# Altium PCB TCM_IPBUS_MEZZANINE.PCBDOC (part 2 of 2)
Units mm, origin at the board's own origin, x right, y up, seen from the top; angles counter-clockwise.
Board outline 116.2 x 111.5 mm, 4 copper layers (Top Layer, Layer 1, Layer 2, Bottom Layer), stack 1.543 mm thick; 118 components, 113 nets, 484 pads, 176 vias.
Unrouted connection lines stored in the file: 4.
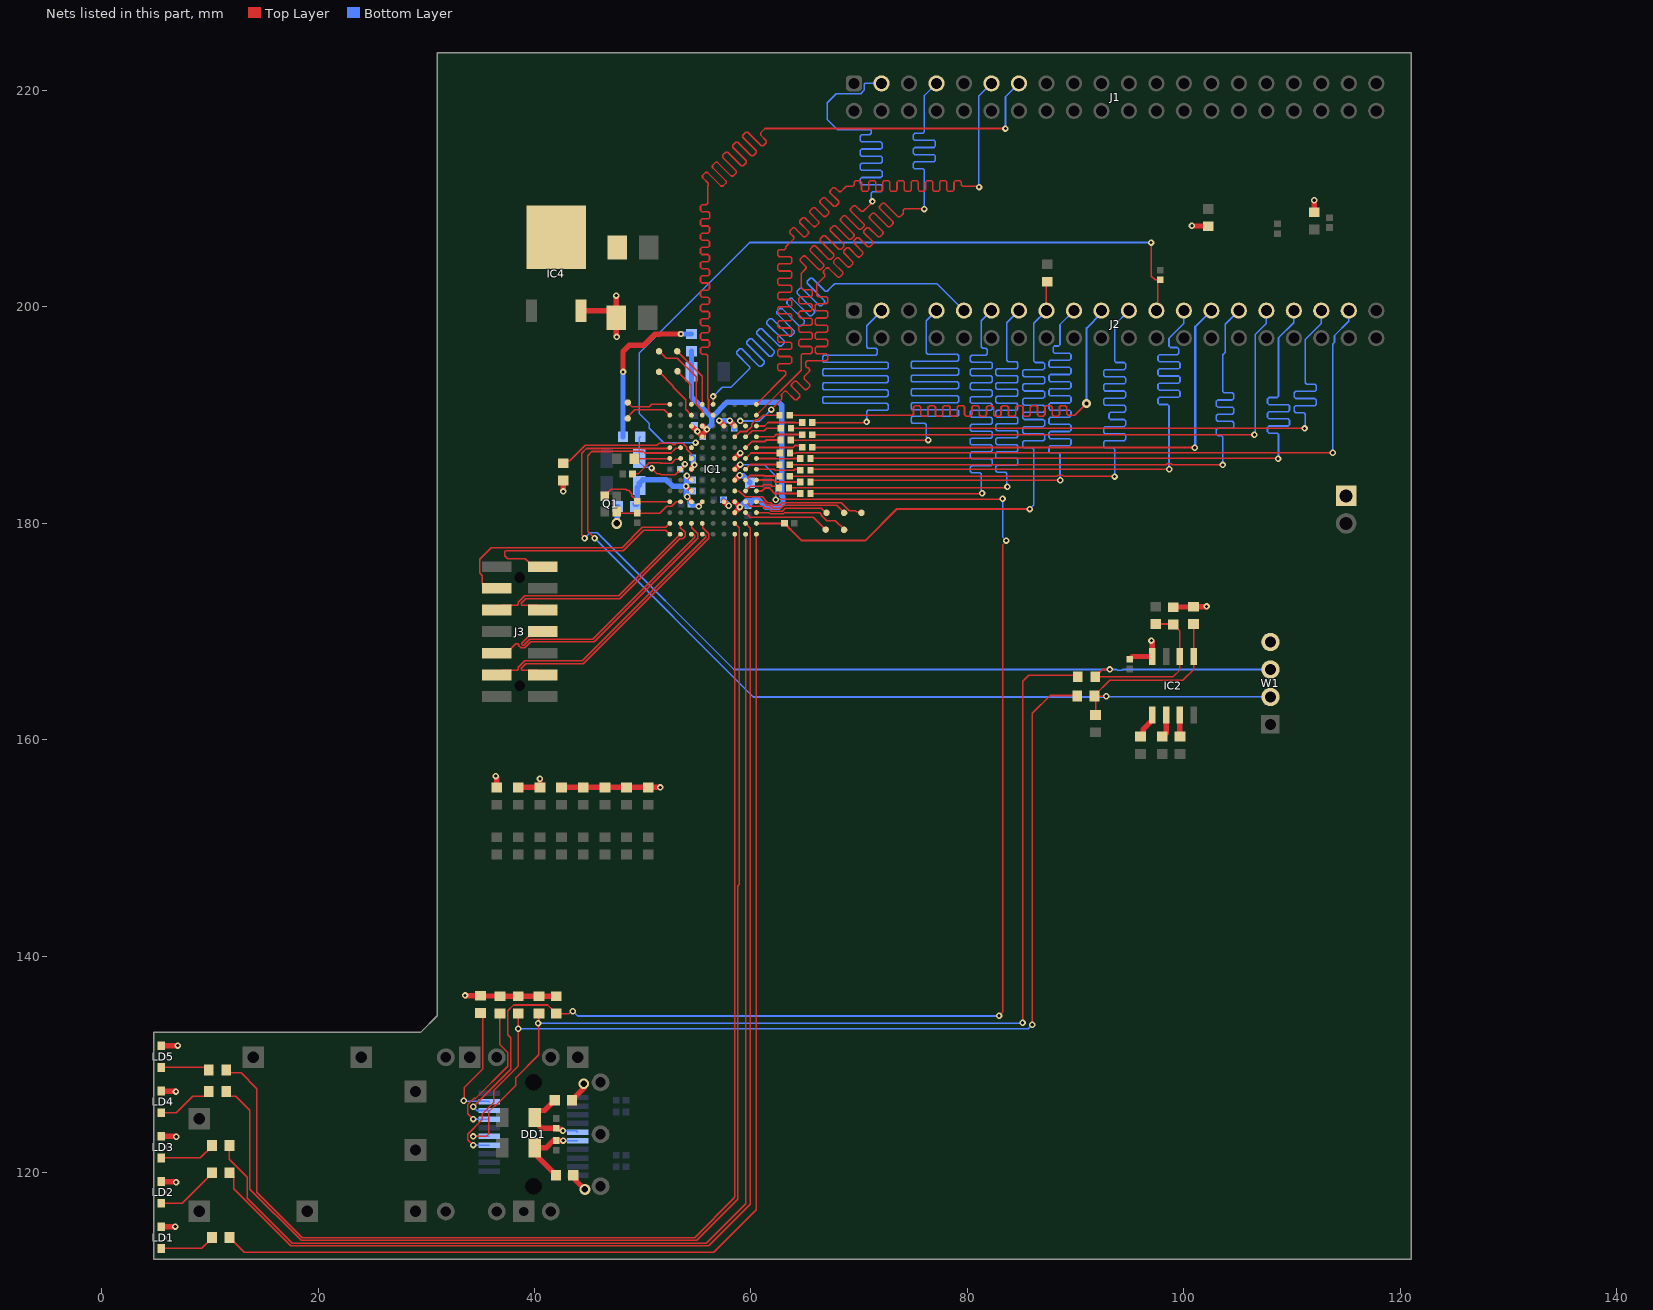
[diagram p4: the nets of this part, all layers, seen from the top]

## Via types
v1: diameter 0.6, hole 0.3, Top Layer to Bottom Layer, tented both sides, 169 vias
v2: diameter 0.6, hole 0.3, Top Layer to Bottom Layer, 3 vias
v3: diameter 1, hole 0.6, Top Layer to Bottom Layer, tented both sides, 3 vias
v4: diameter 0.8, hole 0.4, Top Layer to Bottom Layer, tented both sides, 1 vias

## Nets (pads, with @x,y where several pads share a name; then routed paths per layer and width w, separated by ;. In a path a pad name is that pad's centre, name@x,y a point inside that pad or via, vN(x,y) a via of type N, cw(c..) or ccw(c..) an arc to the next point about the centre after c; other vN are vias at no path point) (continued)
LA2_12: IC1.E2 J1.13 | length 89
  Top Layer w0.15: IC1.E2@56.5,190 56.07,190.43 56.07,191.449 55.995,191.524 55.995,195.428 55.995,195.503 55.863,195.634 55.469,195.634 55.337,195.766 55.337,196.161 55.469,196.292 56.035,196.292 56.167,196.424 56.167,196.819 56.035,196.95 55.469,196.95 55.337,197.082 55.337,197.477 55.469,197.608 56.035,197.608 56.167,197.74 56.167,198.135 56.035,198.266 55.469,198.266 55.337,198.398 55.337,198.793 55.469,198.924 56.035,198.924 56.167,199.056 56.167,199.451 56.035,199.582 55.469,199.582 55.337,199.714 55.337,200.109 55.469,200.24 56.035,200.24 56.167,200.372 56.167,200.767 56.035,200.898 55.469,200.898 55.337,201.03 55.337,201.425 55.469,201.556 56.035,201.556 56.167,201.688 56.167,202.083 56.035,202.214 55.469,202.214 55.337,202.346 55.337,202.741 55.469,202.872 56.035,202.872 56.167,203.004 56.167,203.399 56.035,203.53 55.469,203.53 55.337,203.662 55.337,204.057 55.469,204.188 56.035,204.188 56.167,204.32 56.167,204.715 56.035,204.846 55.469,204.846 55.337,204.978 55.337,205.373 55.469,205.504 56.035,205.504 56.167,205.636 56.167,206.031 56.035,206.162 55.469,206.162 55.337,206.294 55.337,206.689 55.469,206.82 56.035,206.82 56.167,206.952 56.167,207.347 56.035,207.478 55.469,207.478 55.337,207.61 55.337,208.005 55.469,208.136 56.056,208.136 56.188,208.268 56.188,208.663 56.056,208.794 55.469,208.794 55.337,208.926 55.337,209.321 55.469,209.452 55.863,209.452 55.995,209.584 55.995,210.439 55.995,211.188 55.995,211.189 56.047,211.241 56.047,211.427 55.515,211.96 55.515,212.146 55.794,212.425 55.98,212.425 57.231,211.174 57.417,211.174 57.696,211.453 57.696,211.64 56.446,212.89 56.446,213.076 56.725,213.356 56.911,213.356 58.162,212.105 58.348,212.105 58.627,212.384 58.627,212.57 57.376,213.821 57.376,214.007 57.655,214.286 57.841,214.286 59.092,213.035 59.278,213.035 59.557,213.315 59.557,213.501 58.307,214.751 58.307,214.938 58.586,215.217 58.772,215.217 60.023,213.966 60.209,213.966 60.488,214.245 60.488,214.431 59.237,215.682 59.237,215.868 59.516,216.147 59.703,216.147 60.953,214.897 61.139,214.897 61.419,215.176 61.419,215.362 60.886,215.894 60.886,216.08 61.29,216.484 v1(83.515,216.484)
  Bottom Layer w0.15: v1(83.515,216.484) 83.515,219.415 J1.13@84.76,220.66
LA2_13: IC1.A1 J1.11 | length 88.8
  Top Layer w0.15: IC1.A1@60.5,191 63.225,193.725 63.225,193.904 63.225,193.979 63.093,194.11 62.621,194.11 62.489,194.242 62.489,194.637 62.621,194.768 63.644,194.768 63.775,194.9 63.775,195.295 63.644,195.426 62.621,195.426 62.489,195.558 62.489,195.953 62.621,196.084 63.644,196.084 63.775,196.216 63.775,196.611 63.644,196.742 62.621,196.742 62.489,196.874 62.489,197.269 62.621,197.4 63.644,197.4 63.775,197.532 63.775,197.927 63.644,198.058 62.621,198.058 62.489,198.19 62.489,198.585 62.621,198.716 63.644,198.716 63.775,198.848 63.775,199.243 63.644,199.374 62.621,199.374 62.489,199.506 62.489,199.901 62.621,200.032 63.644,200.032 63.775,200.164 63.775,200.559 63.644,200.69 62.621,200.69 62.489,200.822 62.489,201.217 62.621,201.348 63.644,201.348 63.775,201.48 63.775,201.875 63.644,202.006 62.621,202.006 62.489,202.138 62.489,202.533 62.621,202.664 63.644,202.664 63.775,202.796 63.775,203.191 63.644,203.322 62.621,203.322 62.489,203.454 62.489,203.849 62.621,203.98 63.644,203.98 63.775,204.112 63.775,204.507 63.644,204.638 62.621,204.638 62.489,204.77 62.489,205.165 62.621,205.296 63.093,205.296 63.225,205.428 63.225,205.575 63.796,206.146 63.889,206.239 63.943,206.293 63.943,206.479 63.583,206.838 63.583,207.025 63.862,207.304 64.048,207.304 64.852,206.5 65.038,206.5 65.317,206.779 65.317,206.965 64.513,207.769 64.513,207.955 64.792,208.234 64.979,208.234 65.782,207.431 65.968,207.431 66.247,207.71 66.247,207.896 65.444,208.7 65.444,208.886 65.723,209.165 65.909,209.165 66.713,208.361 66.899,208.361 67.178,208.64 67.178,208.827 66.374,209.63 66.374,209.816 66.654,210.095 66.84,210.095 67.643,209.292 67.829,209.292 68.109,209.571 68.109,209.757 67.305,210.561 67.305,210.747 67.584,211.026 67.77,211.026 68.13,210.666 68.316,210.666 68.703,211.053 68.8,211.15 69.342,211.15 69.417,211.15 69.549,211.282 69.549,211.537 69.68,211.669 70.075,211.669 70.207,211.537 70.207,210.814 70.338,210.683 70.733,210.683 70.865,210.814 70.865,211.537 70.996,211.669 71.391,211.669 71.523,211.537 71.523,210.814 71.654,210.683 72.049,210.683 72.181,210.814 72.181,211.537 72.312,211.669 72.707,211.669 72.839,211.537 72.839,210.814 72.97,210.683 73.365,210.683 73.497,210.814 73.497,211.537 73.628,211.669 74.023,211.669 74.155,211.537 74.155,210.814 74.286,210.683 74.681,210.683 74.813,210.814 74.813,211.537 74.944,211.669 75.339,211.669 75.471,211.537 75.471,210.814 75.602,210.683 75.997,210.683 76.129,210.814 76.129,211.537 76.26,211.669 76.655,211.669 76.787,211.537 76.787,210.814 76.918,210.683 77.313,210.683 77.445,210.814 77.445,211.537 77.576,211.669 77.971,211.669 78.103,211.537 78.103,210.814 78.234,210.683 78.629,210.683 78.761,210.814 78.761,211.537 78.892,211.669 79.287,211.669 79.419,211.537 79.419,211.282 79.55,211.15 79.807,211.15 v1@81.075,211.15
  Bottom Layer w0.15: v1(81.075,211.075) 81.05,211.1 81.05,219.49 J1.11@82.22,220.66
LA2_15: IC1.B3 J1.7 | length 85.9
  Top Layer w0.15: v1(59.005,189.464) 59.02,189.464 59.484,189 IC1.B3@59.5,189 ; v1(61.875,190.52) 62.804,191.45 62.857,191.503 62.857,191.689 62.816,191.73 62.816,191.916 63.095,192.195 63.281,192.195 64.041,191.436 64.227,191.436 64.506,191.715 64.506,191.901 63.747,192.661 63.747,192.847 64.026,193.126 64.212,193.126 64.972,192.366 65.158,192.366 65.437,192.645 65.437,192.832 64.905,193.364 64.905,193.55 65.293,193.939 65.334,193.98 65.409,194.055 65.409,194.241 65.278,194.373 65.195,194.373 65.064,194.504 65.064,194.899 65.195,195.031 66.964,195.031 67.096,195.162 67.096,195.557 66.964,195.689 66.078,195.689 65.946,195.82 65.946,196.215 66.078,196.347 66.964,196.347 67.096,196.478 67.096,196.873 66.964,197.005 66.078,197.005 65.946,197.136 65.946,197.531 66.078,197.663 66.964,197.663 67.096,197.794 67.096,198.189 66.964,198.321 66.078,198.321 65.946,198.452 65.946,198.847 66.078,198.979 66.964,198.979 67.096,199.11 67.096,199.505 66.964,199.637 66.078,199.637 65.946,199.768 65.946,200.163 66.078,200.295 66.964,200.295 67.096,200.426 67.096,200.821 66.964,200.953 66.211,200.953 66.08,201.084 66.08,201.549 66.08,202.08 66.772,202.772 66.825,202.825 66.825,203.012 66.703,203.134 66.703,203.32 66.982,203.599 67.168,203.599 68.009,202.758 68.195,202.758 68.474,203.038 68.474,203.224 67.634,204.065 67.634,204.251 67.913,204.53 68.099,204.53 68.94,203.689 69.126,203.689 69.405,203.968 69.405,204.154 68.564,204.995 68.564,205.181 68.843,205.46 69.029,205.46 69.87,204.62 70.056,204.62 70.336,204.899 70.336,205.085 69.495,205.926 69.495,206.112 69.774,206.391 69.96,206.391 70.801,205.55 70.987,205.55 71.266,205.829 71.266,206.015 70.425,206.856 70.425,207.042 70.704,207.322 70.89,207.322 71.731,206.481 71.917,206.481 72.197,206.76 72.197,206.946 70.946,208.197 70.946,208.383 71.225,208.662 71.411,208.662 72.662,207.411 72.848,207.411 73.127,207.69 73.127,207.876 71.876,209.127 71.876,209.313 72.156,209.592 72.342,209.592 73.592,208.342 73.779,208.342 74.058,208.621 74.058,208.943 74.189,209.075 74.567,209.075 v1@76,209.075
  Bottom Layer w0.15: v1(59.005,189.464) 60.818,189.464 v1(61.875,190.52) ; v1(76,209.05) 76.025,209.075 76.025,212.552 76.025,212.627 75.893,212.759 75.141,212.759 75.009,212.891 75.009,213.285 75.141,213.417 76.909,213.417 77.041,213.549 77.041,213.943 76.909,214.075 75.141,214.075 75.009,214.207 75.009,214.601 75.141,214.733 76.909,214.733 77.041,214.865 77.041,215.259 76.909,215.391 75.141,215.391 75.009,215.523 75.009,215.917 75.141,216.049 75.893,216.049 76.025,216.181 76.025,216.84 76.025,219.545 J1.7@77.14,220.66
LA3_0: J2.37 R13.1 | length 63.9
  Top Layer w0.13: R13.1@63.6,186.5 64.184,186.5 64.202,186.518 100.782,186.518 100.795,186.505 101.205,186.505 101.218,186.518 v1@113.75,186.518
  Bottom Layer w0.15: v1(113.75,186.525) 113.75,196.55 113.925,196.725 113.925,197.352 115.24,198.667 J2.37@115.24,199.66
LA3_1: J2.35 R18.1 | length 66.3
  Top Layer w0.13: R18.1@63.7,188.8 64.354,188.8 64.359,188.795 66.041,188.795 66.046,188.8 v1@111.15,188.8
  Bottom Layer w0.15: v1(111.15,188.775) 111.225,188.85 111.225,190.017 111.225,190.092 111.093,190.224 110.341,190.224 110.209,190.356 110.209,190.75 110.341,190.882 112.109,190.882 112.241,191.014 112.241,191.408 112.109,191.54 110.341,191.54 110.209,191.672 110.209,192.066 110.341,192.198 112.109,192.198 112.241,192.33 112.241,192.724 112.109,192.856 111.357,192.856 111.225,192.988 111.225,193.7 111.225,196.996 112.7,198.47 J2.35@112.7,199.66
LA3_2: J2.33 R12.1 | length 66.7
  Top Layer w0.13: R12.1@65.5,186 v1@108.7,186
  Bottom Layer w0.15: v1(108.7,185.975) 108.75,186.025 108.75,188.138 108.75,188.213 108.618,188.344 107.866,188.344 107.734,188.476 107.734,188.871 107.866,189.002 109.634,189.002 109.766,189.134 109.766,189.529 109.634,189.66 107.866,189.66 107.734,189.792 107.734,190.187 107.866,190.318 109.634,190.318 109.766,190.45 109.766,190.845 109.634,190.976 107.866,190.976 107.734,191.108 107.734,191.503 107.866,191.634 108.618,191.634 108.75,191.766 108.75,192.1 108.75,197.142 110.16,198.552 J2.33@110.16,199.66
LA3_3: J2.31 R15.1 | length 52.8
  Top Layer w0.13: R15.1@65.67,188.2 v1(106.525,188.2)
  Bottom Layer w0.15: v1(106.525,188.2) 106.6,188.275 106.6,188.544 106.6,194.793 106.6,197.451 107.62,198.47 J2.31@107.62,199.66
LA3_4: J2.29 R11.1 | length 63.6
  Top Layer w0.13: R11.1@63.57,185.425 98.375,185.425 98.445,185.495 98.855,185.495 98.925,185.425 v1@103.6,185.425
  Bottom Layer w0.15: v1(103.6,185.4) 103.6,187.909 103.6,187.984 103.468,188.116 103.123,188.116 102.992,188.247 102.992,188.642 103.123,188.774 104.481,188.774 104.613,188.905 104.613,189.3 104.481,189.432 103.123,189.432 102.992,189.563 102.992,189.958 103.123,190.09 104.481,190.09 104.613,190.221 104.613,190.616 104.481,190.748 103.123,190.748 102.992,190.879 102.992,191.274 103.123,191.406 104.481,191.406 104.613,191.537 104.613,191.932 104.481,192.064 103.732,192.064 103.6,192.195 103.6,192.38 103.6,195.575 103.825,195.8 103.825,198.405 J2.29@105.08,199.66
LA3_5: J2.27 R14.1 | length 48.6
  Top Layer w0.2: R14.1@65.67,187.023 v1@101,187.023
  Bottom Layer w0.2: v1(101,187) 101.05,187.05 101.05,189.027 101.05,196.698 101.05,198.17 J2.27@102.54,199.66
LA3_6: J2.25 R10.1 | length 63.1
  Top Layer w0.13: R10.1@65.5,184.902 65.598,185 v1(98.65,185)
  Bottom Layer w0.15: v1(98.65,185) 98.625,185.025 98.625,190.779 98.625,190.854 98.493,190.986 97.741,190.986 97.609,191.118 97.609,191.512 97.741,191.644 99.509,191.644 99.641,191.776 99.641,192.17 99.509,192.302 97.741,192.302 97.609,192.434 97.609,192.828 97.741,192.96 99.509,192.96 99.641,193.092 99.641,193.486 99.509,193.618 97.741,193.618 97.609,193.75 97.609,194.144 97.741,194.276 99.509,194.276 99.641,194.408 99.641,194.802 99.509,194.934 97.741,194.934 97.609,195.066 97.609,195.46 97.741,195.592 99.388,195.592 99.519,195.724 99.519,196.118 99.388,196.25 98.757,196.25 98.625,196.382 98.625,196.926 98.625,197.096 100,198.47 J2.25@100,199.66
LA3_7: C10.2 IC1.G5 J2.23 | length 71.4
  Top Layer w0.15: IC1.G5@54.5,187 54.5,187.044 54.875,187.419 v1(54.875,187.463) ; v1(96.975,205.95) 97,205.925 97,202.85 97.35,202.5 C10.2@97.825,202.5 97.59,202.265 97.59,199.79 J2.23@97.46,199.66
  Bottom Layer w0.15: v1(54.875,187.463) 54.862,187.45 51.949,187.45 50.605,188.794 50.605,189.224 49.675,190.154 49.675,195.75 59.875,205.95 v1(96.975,205.95)
LA3_8: J2.21 R6.1 | length 67.4
  Top Layer w0.13: R6.1@63.57,184.35 88.25,184.35 88.37,184.47 88.78,184.47 88.9,184.35 v1@93.6,184.35
  Bottom Layer w0.15: v1(93.6,184.325) 93.6,186.766 93.6,186.841 93.468,186.973 92.716,186.973 92.584,187.104 92.584,187.499 92.716,187.631 94.484,187.631 94.616,187.762 94.616,188.157 94.484,188.289 92.716,188.289 92.584,188.42 92.584,188.815 92.716,188.947 94.484,188.947 94.616,189.078 94.616,189.473 94.484,189.605 93.212,189.605 93.08,189.736 93.08,190.131 93.212,190.263 94.484,190.263 94.616,190.394 94.616,190.789 94.484,190.921 92.716,190.921 92.584,191.052 92.584,191.447 92.716,191.579 94.484,191.579 94.616,191.71 94.616,192.105 94.484,192.237 92.716,192.237 92.584,192.368 92.584,192.763 92.716,192.895 94.484,192.895 94.616,193.026 94.616,193.421 94.484,193.553 92.716,193.553 92.584,193.684 92.584,194.079 92.716,194.211 94.484,194.211 94.616,194.342 94.616,194.737 94.484,194.869 93.732,194.869 93.6,195 93.6,195.504 93.6,198.34 J2.21@94.92,199.66
LA3_9: J2.19 R19.1 | length 54.9
  Top Layer w0.166: R19.1@63.57,190 74.803,190 74.886,190 75.021,190.135 75.021,190.741 75.156,190.876 75.56,190.876 75.695,190.741 75.695,190.03 75.83,189.895 76.235,189.895 76.369,190.03 76.369,190.741 76.504,190.876 76.909,190.876 77.044,190.741 77.044,190.03 77.178,189.895 77.583,189.895 77.718,190.03 77.718,190.741 77.853,190.876 78.257,190.876 78.392,190.741 78.392,190.03 78.527,189.895 78.931,189.895 79.066,190.03 79.066,190.741 79.201,190.876 79.606,190.876 79.74,190.741 79.74,190.03 79.875,189.895 80.28,189.895 80.415,190.03 80.415,190.741 80.549,190.876 80.954,190.876 81.089,190.741 81.089,190.03 81.224,189.895 81.628,189.895 81.763,190.03 81.763,190.741 81.898,190.876 82.302,190.876 82.437,190.741 82.437,190.03 82.572,189.895 82.977,189.895 83.111,190.03 83.111,190.741 83.246,190.876 83.651,190.876 83.786,190.741 83.786,190.03 83.921,189.895 84.325,189.895 84.46,190.03 84.46,190.741 84.595,190.876 84.999,190.876 85.134,190.741 85.134,190.03 85.269,189.895 85.673,189.895 85.808,190.03 85.808,190.741 85.943,190.876 86.348,190.876 86.483,190.741 86.483,190.03 86.617,189.895 87.022,189.895 87.157,190.03 87.157,190.741 87.292,190.876 87.696,190.876 87.831,190.741 87.831,190.03 87.966,189.895 88.37,189.895 88.505,190.03 88.505,190.741 88.64,190.876 89.045,190.876 89.179,190.741 89.179,190.135 89.314,190 89.586,190 89.924,190 v4(91.008,191.084)
  Bottom Layer w0.166: v4(91.008,191.084) 91.017,191.093 91.017,191.694 91.017,197.866 91.017,198.047 92.38,199.41 J2.19@92.38,199.66
LA3_10: J2.17 R5.1 | length 66.6
  Top Layer w0.13: R5.1@65.5,183.827 65.673,184 v1@88.575,184
  Bottom Layer w0.15: v1(88.575,183.975) 88.55,184 88.55,186.309 88.55,186.384 88.418,186.516 87.666,186.516 87.534,186.647 87.534,187.042 87.666,187.174 89.434,187.174 89.566,187.305 89.566,187.7 89.434,187.832 87.666,187.832 87.534,187.963 87.534,188.358 87.666,188.49 89.434,188.49 89.566,188.621 89.566,189.016 89.434,189.148 87.666,189.148 87.534,189.279 87.534,189.674 87.666,189.806 89.434,189.806 89.566,189.937 89.566,190.332 89.434,190.464 87.666,190.464 87.534,190.595 87.534,190.99 87.666,191.122 89.434,191.122 89.566,191.253 89.566,191.648 89.434,191.78 87.666,191.78 87.534,191.911 87.534,192.306 87.666,192.438 89.434,192.438 89.566,192.569 89.566,192.964 89.434,193.096 87.666,193.096 87.534,193.227 87.534,193.622 87.666,193.754 89.434,193.754 89.566,193.885 89.566,194.28 89.434,194.412 87.666,194.412 87.534,194.543 87.534,194.938 87.666,195.07 89.434,195.07 89.566,195.201 89.566,195.596 89.434,195.728 88.048,195.728 87.916,195.859 87.916,196.254 88.048,196.386 88.418,196.386 88.55,196.517 88.55,196.977 88.55,198.37 J2.17@89.84,199.66
LA3_11: C9.2 IC1.A12 J2.15 R53.2 | length 71.2
  Top Layer w0.15: J2.15@87.3,199.66 87.3,202.26 R53.2@87.376,202.337
  Top Layer w0.2: IC1.A12@60.5,180 C9.2@63.1,180 63.46,179.64 63.46,179.595 63.595,179.46 63.64,179.46 64.69,178.41 70.561,178.41 73.477,181.325 v1(85.75,181.325)
  Bottom Layer w0.15: v1(85.75,181.325) 86.125,181.7 86.125,186.766 86.125,186.841 85.993,186.973 85.241,186.973 85.109,187.104 85.109,187.499 85.241,187.631 87.009,187.631 87.141,187.762 87.141,188.157 87.009,188.289 85.241,188.289 85.109,188.42 85.109,188.815 85.241,188.947 87.009,188.947 87.141,189.078 87.141,189.473 87.009,189.605 85.241,189.605 85.109,189.736 85.109,190.131 85.241,190.263 87.009,190.263 87.141,190.394 87.141,190.789 87.009,190.921 85.241,190.921 85.109,191.052 85.109,191.447 85.241,191.579 87.009,191.579 87.141,191.71 87.141,192.105 87.009,192.237 85.241,192.237 85.109,192.368 85.109,192.763 85.241,192.895 87.009,192.895 87.141,193.026 87.141,193.421 87.009,193.553 85.241,193.553 85.109,193.684 85.109,194.079 85.241,194.211 87.009,194.211 87.141,194.342 87.141,194.737 87.009,194.869 86.257,194.869 86.125,195 86.125,195.453 86.125,198.485 J2.15@87.3,199.66
LA3_12: J2.13 R4.1 | length 67
  Top Layer w0.13: R4.1@63.52,183.275 83.389,183.275 83.399,183.285 83.61,183.285 v1(83.7,183.375)
  Bottom Layer w0.13: v1(83.7,183.375) 83.65,183.425 83.65,184.531 83.65,184.596 83.522,184.724 82.762,184.724 82.634,184.851 82.634,185.234 82.762,185.362 84.538,185.362 84.666,185.489 84.666,185.872 84.538,186 82.762,186 82.634,186.127 82.634,186.51 82.762,186.638 84.538,186.638 84.666,186.765 84.666,187.148 84.538,187.276 82.762,187.276 82.634,187.403 82.634,187.786 82.762,187.914 84.538,187.914 84.666,188.041 84.666,188.424 84.538,188.552 82.762,188.552 82.634,188.679 82.634,189.062 82.762,189.19 84.538,189.19 84.666,189.317 84.666,189.7 84.538,189.828 82.762,189.828 82.634,189.955 82.634,190.338 82.762,190.466 84.538,190.466 84.666,190.593 84.666,190.976 84.538,191.104 82.762,191.104 82.634,191.231 82.634,191.614 82.762,191.742 84.538,191.742 84.666,191.869 84.666,192.252 84.538,192.38 82.762,192.38 82.634,192.507 82.634,192.89 82.762,193.018 84.538,193.018 84.666,193.145 84.666,193.528 84.538,193.656 82.762,193.656 82.634,193.783 82.634,194.166 82.762,194.294 84.538,194.294 84.666,194.421 84.666,194.804 84.538,194.932 83.778,194.932 83.65,195.059 83.65,195.453 83.65,198.55 J2.13@84.76,199.66
LA3_13: J2.11 R1.1 | length 66
  Top Layer w0.13: R1.1@65.5,182.752 81.322,182.752 v1(81.35,182.78)
  Bottom Layer w0.13: v1(81.35,182.78) 81.275,182.855 81.275,184.506 81.275,184.571 81.147,184.698 80.386,184.698 80.259,184.826 80.259,185.209 80.386,185.336 82.163,185.336 82.291,185.464 82.291,185.847 82.163,185.974 80.386,185.974 80.259,186.102 80.259,186.485 80.386,186.612 82.163,186.612 82.291,186.74 82.291,187.123 82.163,187.25 80.386,187.25 80.259,187.378 80.259,187.761 80.386,187.888 82.163,187.888 82.291,188.016 82.291,188.399 82.163,188.526 80.386,188.526 80.259,188.654 80.259,189.037 80.386,189.164 82.163,189.164 82.291,189.292 82.291,189.675 82.163,189.802 80.386,189.802 80.259,189.93 80.259,190.313 80.386,190.44 82.163,190.44 82.291,190.568 82.291,190.951 82.163,191.078 80.386,191.078 80.259,191.206 80.259,191.589 80.386,191.716 82.163,191.716 82.291,191.844 82.291,192.227 82.163,192.354 80.386,192.354 80.259,192.482 80.259,192.865 80.386,192.992 82.163,192.992 82.291,193.12 82.291,193.503 82.163,193.63 80.386,193.63 80.259,193.758 80.259,194.141 80.386,194.268 82.163,194.268 82.291,194.396 82.291,194.779 82.163,194.906 80.386,194.906 80.259,195.034 80.259,195.417 80.386,195.544 81.694,195.544 81.821,195.672 81.821,196.055 81.694,196.182 81.402,196.182 81.275,196.31 81.275,196.444 81.275,198.715 J2.11@82.22,199.66
LA3_14: IC1.E1 J2.9 | length 66.2
  Top Layer w0.15: IC1.E1@56.5,191 v1(56.5,191.733)
  Bottom Layer w0.15: v1(56.5,191.733) 57.339,192.572 58.155,192.572 59.817,194.234 59.87,194.287 59.87,194.473 58.674,195.669 58.674,195.855 58.953,196.134 59.139,196.134 60.748,194.525 60.934,194.525 61.213,194.804 61.213,194.991 59.605,196.599 59.605,196.786 59.884,197.065 60.07,197.065 61.679,195.456 61.865,195.456 62.144,195.735 62.144,195.921 60.535,197.53 60.535,197.716 60.814,197.995 61,197.995 62.609,196.386 62.795,196.386 63.075,196.666 63.075,196.852 61.466,198.461 61.466,198.647 61.745,198.926 61.931,198.926 63.54,197.317 63.726,197.317 64.005,197.596 64.005,197.782 62.396,199.391 62.396,199.577 62.675,199.856 62.862,199.856 64.47,198.248 64.657,198.248 64.936,198.527 64.936,198.713 63.327,200.322 63.327,200.508 63.606,200.787 63.792,200.787 65.401,199.178 65.587,199.178 65.866,199.457 65.866,199.643 64.257,201.252 64.257,201.438 64.537,201.717 64.723,201.717 66.332,200.109 66.518,200.109 66.797,200.388 66.797,200.574 65.188,202.183 65.188,202.369 65.467,202.648 65.653,202.648 66.849,201.452 67.035,201.452 67.348,201.765 67.733,202.15 77.19,202.15 J2.9@79.68,199.66
LA3_15: J2.7 R16.1 | length 67.4
  Top Layer w0.13: R16.1@63.67,187.7 64.354,187.7 64.359,187.695 v1(76.375,187.695)
  Bottom Layer w0.13: v1(76.375,187.695) 76.375,187.822 76.195,188.002 76.195,189.052 76.195,189.117 76.067,189.245 74.923,189.245 74.795,189.372 74.795,189.755 74.923,189.883 79.055,189.883 79.183,190.01 79.183,190.393 79.055,190.521 74.923,190.521 74.795,190.648 74.795,191.031 74.923,191.159 79.055,191.159 79.183,191.286 79.183,191.669 79.055,191.797 74.923,191.797 74.795,191.924 74.795,192.307 74.923,192.435 79.055,192.435 79.183,192.562 79.183,192.945 79.055,193.073 74.923,193.073 74.795,193.2 74.795,193.583 74.923,193.711 79.055,193.711 79.183,193.838 79.183,194.221 79.055,194.349 74.923,194.349 74.795,194.476 74.795,194.859 74.923,194.987 79.055,194.987 79.183,195.114 79.183,195.497 79.055,195.625 76.322,195.625 76.195,195.752 76.195,196.342 76.195,198.715 J2.7@77.14,199.66
LACK2: IC1.A2 J1.3 | length 88.6
  Top Layer w0.15: IC1.A2@60.5,190 60.79,190.29 60.794,190.29 64.65,194.146 64.65,194.818 64.65,195.551 64.782,195.683 65.534,195.683 65.666,195.814 65.666,196.209 65.534,196.341 64.562,196.341 64.43,196.472 64.43,196.867 64.562,196.999 65.534,196.999 65.666,197.13 65.666,197.525 65.534,197.657 64.562,197.657 64.43,197.788 64.43,198.183 64.562,198.315 65.534,198.315 65.666,198.446 65.666,198.841 65.534,198.973 64.562,198.973 64.43,199.104 64.43,199.499 64.562,199.631 65.534,199.631 65.666,199.762 65.666,200.157 65.534,200.289 64.562,200.289 64.43,200.42 64.43,200.815 64.562,200.947 65.534,200.947 65.666,201.078 65.666,201.473 65.534,201.605 64.782,201.605 64.65,201.736 64.65,203.098 64.65,203.1 65.025,203.475 65.078,203.528 65.078,203.714 64.546,204.246 64.546,204.433 64.825,204.712 65.011,204.712 66.262,203.461 66.448,203.461 66.727,203.74 66.727,203.926 65.476,205.177 65.476,205.363 65.755,205.642 65.942,205.642 67.192,204.392 67.378,204.392 67.658,204.671 67.658,204.857 66.407,206.108 66.407,206.294 66.686,206.573 66.872,206.573 68.123,205.322 68.309,205.322 68.588,205.601 68.588,205.787 67.337,207.038 67.337,207.224 67.617,207.503 67.803,207.503 69.053,206.253 69.24,206.253 69.519,206.532 69.519,206.718 68.268,207.969 68.268,208.155 68.547,208.434 68.733,208.434 69.984,207.183 70.17,207.183 70.449,207.462 70.449,207.648 69.198,208.899 69.198,209.085 69.478,209.364 69.664,209.364 70.196,208.832 70.382,208.832 70.9,209.35 v1@71.262,209.712
  Bottom Layer w0.15: v1(71.225,209.75) 71.225,209.779 71.225,209.872 71.105,209.992 71.105,210.512 71.236,210.643 71.989,210.643 72.121,210.775 72.121,211.17 71.989,211.301 70.22,211.301 70.089,211.433 70.089,211.828 70.22,211.959 71.989,211.959 72.121,212.091 72.121,212.486 71.989,212.617 70.22,212.617 70.089,212.749 70.089,213.144 70.22,213.275 71.989,213.275 72.121,213.407 72.121,213.802 71.989,213.933 70.22,213.933 70.089,214.065 70.089,214.46 70.22,214.591 71.989,214.591 72.121,214.723 72.121,215.118 71.989,215.249 70.22,215.249 70.089,215.381 70.089,215.776 70.22,215.907 70.973,215.907 71.105,216.039 71.105,216.383 67.996,216.383 67.056,217.322 67.056,218.872 67.889,219.705 70.135,219.705 70.475,220.045 70.475,220.572 70.563,220.66 J1.3@72.06,220.66
LACK3: J2.3 R17.1 | length 64.9
  Top Layer w0.13: R17.1@65.67,189.323 65.693,189.3 70.575,189.3 70.65,189.375 v1(70.675,189.375)
  Bottom Layer w0.13: v1(70.675,189.375) 70.675,189.611 70.675,190.314 70.803,190.442 72.553,190.442 72.68,190.569 72.68,190.952 72.553,191.08 66.739,191.08 66.611,191.207 66.611,191.59 66.739,191.718 72.553,191.718 72.68,191.845 72.68,192.228 72.553,192.356 66.739,192.356 66.611,192.483 66.611,192.866 66.739,192.994 72.553,192.994 72.68,193.121 72.68,193.504 72.553,193.632 66.739,193.632 66.611,193.759 66.611,194.142 66.739,194.27 72.553,194.27 72.68,194.397 72.68,194.78 72.553,194.908 66.739,194.908 66.611,195.035 66.611,195.418 66.739,195.546 71.532,195.546 71.66,195.673 71.66,196.056 71.532,196.184 70.803,196.184 70.675,196.311 70.675,197.637 70.675,198.275 J2.3@72.06,199.66
LED0: IC1.A13 R22.2 | length 113.4
  Top Layer w0.13: R22.2@11.8,114 11.8,113.95 12.185,113.565 12.235,113.565 13.175,112.625 56.55,112.625 60.5,116.575 IC1.A13@60.5,179
LED1: IC1.B12 R23.2 | length 116.3
  Top Layer w0.13: R23.2@11.8,120 12.185,119.615 12.185,118.522 17.482,113.225 56.075,113.225 59.949,117.099 59.949,179.551 IC1.B12@59.5,180
LED2: IC1.B13 R24.2 | length 116.7
  Top Layer w0.13: R24.2@11.8,122.5 11.8,121.226 13.44,119.586 13.44,117.635 17.59,113.485 55.86,113.485 59.5,117.125 IC1.B13@59.5,179
LED3: IC1.C12 R25.2 | length 121.5
  Top Layer w0.13: R25.2@11.5,127.5 11.5,127.45 11.885,127.065 12.41,127.065 13.7,125.775 13.7,118.468 18.423,113.745 54.975,113.745 58.76,117.53 58.76,146.478 58.92,146.638 58.92,179.58 IC1.C12@58.5,180
LED4: IC1.C13 R26.2 | length 121.8
  Top Layer w0.13: R26.2@11.5,129.5 11.775,129.225 12.875,129.225 14.325,127.775 14.325,118.21 18.53,114.005 54.78,114.005 58.45,117.675 58.45,117.729 58.5,117.779 IC1.C13@58.5,179
LOS: DD1.8 IC1.C7 R9.1 | length 134.1
  Top Layer w0.14: v1(62.282,182.179) 62.33,182.227 83.202,182.227 v1(83.25,182.275)
  Top Layer w0.15: v1(34.325,126.085) 37.81,129.57 37.81,132.456 37.53,132.736 37.53,134.97 38.06,135.5 41.2,135.5 41.575,135.125 41.575,135.075 41.95,134.7 R9.1@42,134.7 43.178,134.7 43.403,134.925 v1(43.525,134.925) ; v1(82.925,134.5) 83.25,134.825 83.25,178.008 83.587,178.345 v1(83.587,178.413)
  Top Layer w0.5: IC1.C7@58.5,185 58.533,185 58.971,185.438 v1(58.998,185.438)
  Bottom Layer w0.14: v1(58.998,185.438) 61.228,185.438 62.282,184.385 v1(62.282,182.179) ; v1(83.25,182.275) 83.25,178.75 v1(83.587,178.413)
  Bottom Layer w0.15: v1(34.325,126.085) 34.66,125.75 DD1.8@35.8,125.75 ; v1(43.525,134.925) 43.54,134.925 43.99,134.475 82.9,134.475 v1(82.925,134.5)
MDI0_N: IC1.J12 J3.3 | length 22.8
  Top Layer w0.123: J3.3@36.5,174 35.625,174 35.187,174.438 35.187,175.168 34.933,175.421 34.933,176.683 36.005,177.755 48.096,177.755 49.972,179.632 52.131,179.632 IC1.J12@52.5,180
MDI0_P: IC1.J13 J3.2 | length 20.5
  Top Layer w0.123: J3.2@40.75,176 39.875,176 39.125,176.75 37.5,176.75 37.25,177 37.25,177.42 37.322,177.492 48.205,177.492 50.081,179.369 52.131,179.369 IC1.J13@52.5,179
MDI1_N: IC1.H12 J3.6 | length 21.5
  Top Layer w0.123: J3.6@40.75,172 40.311,172.438 38.829,172.438 38.756,172.511 38.756,172.612 39.19,173.045 47.878,173.045 53.416,178.584 53.673,178.584 53.916,178.827 53.916,179.173 53.673,179.416 53.625,179.416 53.451,179.59 53.463,179.603 53.463,179.963 IC1.H12@53.5,180
MDI1_P: IC1.H13 J3.5 | length 20
  Top Layer w0.123: J3.5@36.5,172 36.939,172.438 38.421,172.438 38.493,172.511 38.493,172.721 39.081,173.308 47.769,173.308 53.461,179 IC1.H13@53.5,179
MDI2_N: IC1.G12 J3.9 | length 25
  Top Layer w0.123: J3.9@36.5,168 37.375,168 38.241,168.866 38.465,168.866 38.537,168.793 38.537,168.714 38.763,168.488 39.092,168.488 39.657,169.052 45.504,169.052 55.083,178.632 55.083,179.056 54.537,179.603 54.537,179.963 IC1.G12@54.5,180
MDI2_P: IC1.G13 J3.8 | length 23.2
  Top Layer w0.123: J3.8@40.75,170 39.875,170 38.8,168.925 38.8,168.823 38.872,168.751 38.983,168.751 39.548,169.315 45.395,169.315 54.82,178.741 54.82,178.843 54.726,178.937 54.563,178.937 IC1.G13@54.5,179
MDI3_N: IC1.F12 J3.12 | length 26.2
  Top Layer w0.123: J3.12@40.75,166 40.311,166.438 38.829,166.438 38.756,166.511 38.756,166.612 39.19,167.045 44.497,167.045 56.083,178.632 56.083,179.056 55.537,179.603 55.537,179.963 IC1.F12@55.5,180
MDI3_P: IC1.F13 J3.11 | length 25.2
  Top Layer w0.123: J3.11@36.5,166 36.939,166.438 38.421,166.438 38.493,166.511 38.493,166.721 39.081,167.308 44.388,167.308 55.821,178.741 55.821,178.843 55.726,178.937 55.563,178.937 IC1.F13@55.5,179
NetC3_2: C3.2 C4.2 DD1.15 L1.2 | length 7.5
  Top Layer w0.5: L1.2@41.86,126.7 41.86,126.675 40.935,125.75 40.325,125.75 40,125.425 C3.2@40,125.1 40,124.775 40.675,124.1 C4.2@42,124.1 42.06,124.04 42.433,124.04 42.598,123.875 v1(42.625,123.875)
  Bottom Layer w0.13: v1(42.625,123.875) 43.875,123.875 DD1.15@44,123.75
NetC7_2: C7.2 C8.2 DD1.16 L2.2 | length 7.6
  Top Layer w0.5: L2.2@41.975,119.755 41.975,119.78 40.325,121.43 40.325,121.97 C7.2@40,122.295 41.068,122.295 41.723,122.951 42.641,122.951 v1(42.66,122.97)
  Bottom Layer w0.13: v1(42.66,122.97) 43.98,122.97 DD1.16@44,122.95
NetC13_2: C13.2 IC1.H6 | length 5.1
  Top Layer w0.15: C13.2@49.05,184.57 49.564,184.57 50.605,185.611 51.621,185.611 51.662,185.57 52.678,185.57 53.051,185.943 53.443,185.943 IC1.H6@53.5,186
NetC14_2: C14.2 IC1.H10 Q1.3 | length 6.4
  Top Layer w0.13: Q1.3@47.6,181.1 47.75,180.95 C14.2@49.5,180.95 51.578,180.95 52.208,181.58 52.674,181.58 53.08,181.986 53.486,181.986 IC1.H10@53.5,182
NetC15_2: C15.2 IC1.J10 Q1.1 | length 6.9
  Top Layer w0.13: Q1.1@46.5,182.5 46.5,182.55 47.095,183.145 48.405,183.145 48.505,183.045 48.705,183.045 48.995,182.755 48.995,182.555 C15.2@49.5,182.05 49.55,182 IC1.J10@52.5,182
NetC20_2: C20.2 C21.2 C22.2 C23.2 IC1.F10 IC1.G8 IC1.G9 IC1.G10 L3.2 | length 14.1
  Top Layer w0.35: v1(54,183.438) 54.035,183.438 54.473,183 IC1.G9@54.5,183 ; v1(54.082,184.405) 54.088,184.405 54.494,184 IC1.G8@54.5,184 ; v1(54.103,182.459) 54.103,182.424 54.5,182.027 IC1.G10@54.5,182 ; v1(55.175,181.569) 55.223,181.617 55.223,181.696 55.5,181.973 IC1.F10@55.5,182
  Bottom Layer w0.13: L3.2@49.3,181.55 L3.2@49.3,181.775
  Bottom Layer w0.35: 54.019,182.994 54.594,182.994 C22.2@54.6,183 ; 54.019,183.886 54.486,183.886 C21.2@54.6,184 ; 54.315,182.179 54.315,181.91 C23.2@54.45,181.775 54.585,181.64 55.036,181.64 55.107,181.569 v1(55.175,181.569)
  Bottom Layer w0.5: L3.2@49.3,181.775 49.462,181.775 49.487,181.8 49.487,183.313 C20.2@49.675,183.5 49.675,183.702 50,184.027 52.167,184.027 52.756,183.438 v1(54,183.438) ; v1(54.082,184.405) 54.082,184.378 54.019,184.315 54.019,183.886 54.019,183.457 v1(54,183.438) ; v1(54.103,182.459) 54.103,182.486 54.019,182.569 54.019,182.994 54.019,183.419 v1(54,183.438)
NetC24_2: C24.2 C25.2 C26.2 C27.2 IC1.C10 IC1.C11 IC1.F3 IC1.F4 IC1.G3 L5.2 | length 33.8
  Top Layer w0.5: IC1.G3@54.5,189 54.521,189 55.004,188.517 55.032,188.517 v1(55.051,188.498) 55.078,188.498 55.347,188.23 55.5,188.23 ; IC1.F4@55.5,188 55.5,188.23 ; IC1.F3@55.5,189 55.583,189 55.9,188.683 v1(55.927,188.683) 55.927,188.656 55.5,188.23 ; IC1.C11@58.5,181 58.5,181.003 58.979,181.481 58.979,181.521 IC1.C10@58.5,182
  Bottom Layer w0.5: L5.2@54.5,195.9 C24.2@54.5,194 54.5,191.678 56.391,189.787 ; v1(55.927,188.683) 55.927,188.71 56.391,189.174 56.391,189.787 ; v1(58.979,181.508) 59.006,181.508 59.601,182.103 60.198,182.103 C27.2@59.715,181.621 ; 60.282,182.239 60.64,182.239 61.38,181.499 62.563,181.499 62.962,181.897 62.962,182.461 62.85,182.572 62.85,190.907 62.557,191.2 62.157,191.2 ; 61.593,191.2 57.804,191.2 56.391,189.787 ; 61.593,191.2 62.157,191.2
NetC28_2: C28.2 C29.2 IC1.H7 L4.2 | length 7.5
  Top Layer w0.15: v1(50.814,185.106) 51.35,184.57 51.616,184.57 51.691,184.495 52.995,184.495 IC1.H7@53.5,185 53.5,185.041 53.893,185.435 v1(53.893,185.476)
  Bottom Layer w0.15: L4.2@49.775,188 49.675,187.9 49.675,185.675 50.175,185.175 50.745,185.175 v1(50.814,185.106)
NetDD1_7: DD1.7 R7.1 | length 13.4
  Top Layer w0.15: v1(34.328,124.95) 33.82,125.457 33.82,126.294 34.376,126.85 34.534,126.85 37.53,129.846 37.53,131.097 36.8,131.827 R7.1@36.8,134.7
  Bottom Layer w0.15: v1(34.328,124.95) DD1.7@35.8,124.95
NetDD1_9: DD1.9 R8.1 | length 11.3
  Top Layer w0.15: v1(33.455,126.643) 33.5,126.688 33.5,127.88 35.205,129.585 35.205,134.545 R8.1@35,134.75
  Bottom Layer w0.15: v1(33.455,126.643) 33.498,126.6 35.75,126.6 DD1.9@35.8,126.55
NetIC1_A3: IC1.A3 R17.2 | length 4.4
  Top Layer w0.166: IC1.A3@60.5,189 61.246,189 61.569,189.323 64.078,189.323 64.101,189.3 64.707,189.3 R17.2@64.73,189.323
NetIC1_A4: IC1.A4 R15.2 | length 4.3
  Top Layer w0.166: IC1.A4@60.5,188 62.129,188 62.352,188.223 64.707,188.223 R15.2@64.73,188.2
NetIC1_A5: IC1.A5 R14.2 | length 4.4
  Top Layer w0.166: IC1.A5@60.5,187 60.523,187.023 63.894,187.023 64.071,187.2 64.553,187.2 R14.2@64.73,187.023
NetIC1_A6: IC1.A6 R12.2 | length 4.1
  Top Layer w0.166: IC1.A6@60.5,186 62.259,186 62.282,185.977 63.978,185.977 64.001,186 R12.2@64.56,186
NetIC1_A7: IC1.A7 R10.2 | length 4.2
  Top Layer w0.166: IC1.A7@60.5,185 62.154,185 62.252,184.902 63.948,184.902 64.046,185 64.462,185 R10.2@64.56,184.902
NetIC1_A8: IC1.A8 R5.2 | length 4.2
  Top Layer w0.166: IC1.A8@60.5,184 62.079,184 62.252,183.827 64.387,183.827 64.43,183.87 64.517,183.87 R5.2@64.56,183.827
NetIC1_A9: IC1.A9 R1.2 | length 4.4
  Top Layer w0.166: IC1.A9@60.5,183 61.022,183 61.287,183.265 61.713,183.265 62.013,182.964 62.013,182.941 62.202,182.752 64.332,182.752 64.389,182.809 64.503,182.809 R1.2@64.56,182.752
NetIC1_A10: IC1.A10 TP7.1 | length 8.8
  Top Layer w0.13: IC1.A10@60.5,182 61.117,182 61.45,181.667 61.726,181.667 61.992,181.401 62.769,181.401 63.035,181.667 67.914,181.667 TP7.1@68.605,180.975
NetIC1_A11: IC1.A11 TP8.1 | length 8.9
  Top Layer w0.13: IC1.A11@60.5,181 61.658,181 61.777,180.881 62.985,180.881 63.104,181 66.332,181 66.485,180.848 66.485,180.77 66.991,180.264 67.793,180.264 68.605,179.451 TP8.1@68.605,179.4
NetIC1_B4: IC1.B4 R18.2 | length 3.6
  Top Layer w0.166: IC1.B4@59.5,188 59.538,188 60.1,188.562 61.227,188.562 61.465,188.8 R18.2@62.76,188.8
NetIC1_B5: IC1.B5 R16.2 | length 3.5
  Top Layer w0.166: IC1.B5@59.5,187 60.062,187.562 61.262,187.562 61.4,187.7 R16.2@62.73,187.7
NetIC1_B6: IC1.B6 R13.2 | length 3.4
  Top Layer w0.166: IC1.B6@59.5,186 60,186.5 R13.2@62.66,186.5
NetIC1_B7: IC1.B7 R11.2 | length 3.3
  Top Layer w0.166: IC1.B7@59.5,185 59.938,185.438 62.617,185.438 R11.2@62.63,185.425
NetIC1_B8: IC1.B8 R6.2 | length 3.3
  Top Layer w0.166: IC1.B8@59.5,184 59.938,184.438 61.192,184.438 61.246,184.385 62.595,184.385 R6.2@62.63,184.35
NetIC1_B9: IC1.B9 R4.2 | length 3.4
  Top Layer w0.166: IC1.B9@59.5,183 59.938,183.438 61.042,183.438 61.165,183.561 61.835,183.561 61.958,183.438 62.417,183.438 R4.2@62.58,183.275
NetIC1_B10: IC1.B10 TP10.1 | length 8.1
  Top Layer w0.13: IC1.B10@59.5,182 59.92,181.58 61.117,181.58 61.29,181.407 61.618,181.407 61.884,181.141 62.877,181.141 63.143,181.407 66.508,181.407 66.94,180.975 TP10.1@66.98,180.975
NetIC1_B11: IC1.B11 TP9.1 | length 8.1
  Top Layer w0.13: IC1.B11@59.5,181 59.931,180.569 65.761,180.569 TP9.1@66.904,179.426
NetIC1_C4: IC1.C4 R19.2 | length 5.1
  Top Layer w0.166: IC1.C4@58.5,188 58.998,188.498 59.618,188.498 60.062,188.942 60.062,189.181 60.442,189.562 60.681,189.562 61.12,190 R19.2@62.63,190
NetIC1_C8: IC1.C8 R36.2 | length 1.9
  Top Layer w0.5: IC1.C8@58.5,184 58.506,184 58.944,184.438 v1(58.971,184.438)
  Bottom Layer w0.5: v1(58.971,184.438) 58.99,184.419 59.281,184.419 59.9,183.8 R36.2@59.9,183.75
NetIC1_C9: IC1.C9 TP11.1 | length 12.7
  Top Layer w0.13: IC1.C9@58.5,183 58.514,182.986 58.92,182.986 59.467,182.439 61.045,182.439 61.558,181.927 61.834,181.927 62.077,181.684 62.639,181.684 62.882,181.927 68.354,181.927 69.102,181.178 69.646,181.178 69.759,181.065 70.116,181.065 TP11.1@70.206,180.975
NetIC1_F1: IC1.F1 TP2.1 | length 5.9
  Top Layer w0.13: TP2.1@53.179,195.9 55.5,193.579 IC1.F1@55.5,191
NetIC1_F2: IC1.F2 TP1.1 | length 8.2
  Top Layer w0.13: TP1.1@51.5,195.9 52.15,195.25 53.2,195.25 54.92,193.53 54.92,190.986 55.486,190.42 55.486,190.014 IC1.F2@55.5,190
NetIC1_G1: IC1.G1 TP4.1 | length 3.6
  Top Layer w0.13: TP4.1@53.208,194.058 54.5,192.767 IC1.G1@54.5,191
NetIC1_G2: IC1.G2 TP3.1 | length 5.2
  Top Layer w0.13: TP3.1@51.5,194 52.811,192.689 52.811,192.585 53.969,191.428 53.969,190.531 IC1.G2@54.5,190
NetIC1_G6: IC1.G6 R54.2 | length 13.7
  Top Layer w0.13: R54.2@42.647,185.56 42.859,185.772 43.265,185.772 44.691,187.198 46.81,187.198 46.842,187.23 49.968,187.23 50,187.198 51.283,187.198 51.505,187.42 52.674,187.42 52.836,187.258 52.943,187.258 53.105,187.42 53.674,187.42 54.056,187.038 54.056,186.85 54.486,186.42 54.486,186.014 IC1.G6@54.5,186
NetIC1_J1: IC1.J1 TP5.1 | length 4.1
  Top Layer w0.15: TP5.1@48.619,191.169 49.002,190.785 50.603,190.785 50.818,191 IC1.J1@52.5,191
NetIC1_J2: IC1.J2 TP6.1 | length 4.5
  Top Layer w0.15: TP6.1@48.6,189.7 48.6,189.822 48.898,190.12 48.898,190.143 49.26,190.505 51.995,190.505 IC1.J2@52.5,190
NetIC1_J6: IC1.J6 R27.2 | length 3.3
  Top Layer w0.15: R27.2@49.205,185.975 50.847,185.975 50.857,185.985 52.485,185.985 IC1.J6@52.5,186
NetIC2_1: IC2.1 R35.2 | length 2.5
  Top Layer w0.5: R35.2@96,160.3 96.05,160.3 96.25,160.5 96.25,160.98 97.095,161.825 IC2.1@97.095,162.3
NetIC2_2: IC2.2 R34.2 | length 2.2
  Top Layer w0.5: R34.2@98,160.3 98.05,160.3 98.365,160.615 IC2.2@98.365,162.3
NetIC2_3: IC2.3 R33.2 | length 2
  Top Layer w0.5: R33.2@99.635,160.3 IC2.3@99.635,162.3
NetLD1_1: LD1.1 R22.1 | length 5.1
  Top Layer w0.13: LD1.1@5.5,113 9.25,113 10.2,113.95 R22.1@10.2,114
NetLD2_1: LD2.1 R23.1 | length 5.9
  Top Layer w0.13: LD2.1@5.5,117.18 7.43,117.18 10.2,119.95 R23.1@10.2,120
NetLD3_1: LD3.1 R24.1 | length 5.2
  Top Layer w0.13: LD3.1@5.5,121.361 9.111,121.361 10.2,122.45 R24.1@10.2,122.5
NetLD4_1: LD4.1 R25.1 | length 5.2
  Top Layer w0.13: LD4.1@5.5,125.541 6.888,125.541 8.412,127.065 9.515,127.065 9.9,127.45 R25.1@9.9,127.5
NetLD5_1: LD5.1 R26.1 | length 4.5
  Top Layer w0.13: LD5.1@5.5,129.722 9.678,129.722 R26.1@9.9,129.5
P1V2: C31.1 IC4.3 L4.1 L5.1 | length 14.9
  Top Layer w0.5: v1(48.175,194) 48.175,195.9 48.725,196.45 50.075,196.45 51.12,197.495 51.507,197.495 51.512,197.5 v1(53.525,197.5)
  Bottom Layer w0.5: L4.1@48.175,188 v1(48.175,194) ; v1(53.525,197.5) L5.1@54.5,197.5
P3V3: C16.2 C17.2 C18.2 C19.2 C30.1 IC1.C3 IC1.C6 IC1.D3 IC1.D10 IC1.G7 IC2.8 IC4.2 J4.1 L1.1 L2.1 L3.1 LD1.2 LD2.2 LD3.2 LD4.2 LD5.2 R2.2 R3.2 R7.2 R8.2 R9.2 R21.2 R30.2 R31.2 R37.2 R38.2 R39.2 R40.2 R41.2 R42.2 R43.2 R44.2 R52.2 R54.1 W1.4 | length 58.7
  Top Layer w0.5: LD1.2@5.5,115 5.512,115.013 6.787,115.013 v1(6.8,115.025) ; LD2.2@5.5,119.18 6.792,119.18 6.848,119.125 v1(6.875,119.125) ; LD3.2@5.5,123.361 6.825,123.361 6.861,123.325 v1(6.888,123.325) ; LD4.2@5.5,127.541 5.522,127.519 6.842,127.519 v1(6.861,127.5) ; LD5.2@5.5,131.722 5.514,131.736 7.011,131.736 v1(7.025,131.75) ; v1(33.575,136.375) 33.587,136.363 34.988,136.363 R8.2@35,136.35 35.025,136.325 36.775,136.325 R7.2@36.8,136.3 R2.2@38.5,136.3 R3.2@40.4,136.3 R9.2@42,136.3 ; v1(36.425,156.65) 36.425,156.623 36.5,156.548 R44.2@36.5,155.6 ; R43.2@38.5,155.6 R42.2@40.5,155.6 v1(40.5,156.4) ; R41.2@42.5,155.6 R40.2@44.5,155.6 R39.2@46.5,155.6 R38.2@48.5,155.6 R37.2@50.5,155.6 v1(51.625,155.6) ; v2(42.647,182.956) R54.1@42.647,183.96 ; L1.1@43.46,126.7 43.46,126.725 44.531,127.796 44.531,128.206 v3(44.55,128.225) ; L2.1@43.575,119.755 43.8,119.53 43.8,119.3 v3(44.65,118.45) ; IC4.2@44.28,199.65 46.9,199.65 C30.1@47.55,199 ; v1(47.55,201.05) C30.1@47.55,199 ; v1(47.6,197.225) 47.6,197.252 47.55,197.302 C30.1@47.55,199 ; IC1.G7@54.5,185 54.5,185.106 54.77,185.376 v1(54.77,185.403) ; v1(57.071,189.505) 57.071,189.478 57.5,189.049 IC1.D3@57.5,189 ; IC1.D10@57.5,182 57.529,182 57.909,181.62 v1(57.936,181.62) ; v1(58.04,189.501) 58.059,189.482 58.059,189.443 58.5,189.002 IC1.C3@58.5,189 ; IC1.C6@58.5,186 58.998,186.498 v1(58.998,186.5) ; C16.2@95,167.45 95.25,167.7 IC2.8@97.095,167.7 97.095,169.053 97,169.148 v1(97,169.175) ; R30.2@99.025,172.25 99.05,172.275 100.88,172.275 R31.2@100.905,172.3 100.917,172.313 102.087,172.313 v1(102.1,172.325) ; v1(100.75,207.5) 100.769,207.481 102.219,207.481 R52.2@102.25,207.45 ; v1(112.045,209.85) 112.048,209.847 112.048,208.753 R21.2@112.05,208.75
  Bottom Layer w0.5: v3(47.6,180) 47.65,180.05 47.65,181.5 L3.1@47.7,181.55 L3.1@47.687,181.537 ; C19.2@54.6,186.057 54.66,185.997 54.66,185.541 54.77,185.43 v1(54.77,185.403) ; v1(57.071,189.505) 57.086,189.49 58.023,189.49 58.45,189.063 C17.2@58.45,189.057 ; C18.2@57.45,182.179 57.917,181.712 57.917,181.639 v1(57.936,181.62) ; v1@58.04,189.474 v1(58.04,189.501) ; v1@58.059,189.455 58.059,189.449 58.39,189.117 58.39,188.86 C17.2@58.45,188.8
SCL: IC1.J5 IC2.6 R29.1 R30.1 R32.2 W1.3 | length 101.1
  Top Layer w0.15: v1(44.625,178.625) 44.625,178.663 44.35,178.938 44.35,186.475 44.794,186.919 46.913,186.919 46.954,186.96 49.856,186.96 49.897,186.919 52.262,186.919 52.286,186.943 52.443,186.943 IC1.J5@52.5,187 ; v1(93.15,166.5) 92.475,166.5 92.225,166.25 92.175,166.25 91.8,165.875 R29.1@91.8,165.825 99,165.825 99.635,166.46 99.635,170.04 99.45,170.225 99.45,170.275 99.075,170.65 R30.1@99.025,170.65 98.975,170.7 R32.2@97.4,170.7
  Bottom Layer w0.15: v1(44.625,178.625) 45.13,179.13 45.795,179.13 58.425,166.5 v1(93.15,166.5) 93.811,166.5 93.866,166.445 94.284,166.445 94.339,166.5 W1.3@108,166.5
SDA: IC1.H5 IC2.5 R28.1 R31.1 R55.1 W1.2 | length 102.7
  Top Layer w0.15: v1(45.55,178.625) 44.905,179.27 44.905,186.255 45.289,186.639 47.029,186.639 47.07,186.68 49.74,186.68 49.781,186.639 50.058,186.639 50.196,186.5 52.608,186.5 53.051,186.943 53.443,186.943 IC1.H5@53.5,187 ; R28.1@91.75,164.05 91.846,163.954 R55.1@91.846,162.293 ; R28.1@91.75,164.1 93.15,165.5 99.905,165.5 100.905,166.5 IC2.5@100.905,167.7 R31.1@100.905,170.7 ; R28.1@91.89,163.96 91.963,164.033 v1(92.837,164.033)
  Bottom Layer w0.15: v1(45.55,178.625) 60.215,163.96 92.764,163.96 v1(92.837,164.033) 92.874,163.997 107.963,163.997 W1.2@108,163.96
SFP_SCL: DD1.5 R3.1 R29.2 | length 97.9
  Top Layer w0.15: v1(34.328,123.35) 35.523,123.35 35.75,123.576 35.75,125.615 36.34,126.205 36.401,126.205 38.25,128.054 38.25,128.75 40.4,130.9 v1@40.4,133.8 ; v1(40.325,133.805) 40.395,133.805 v1@40.4,133.8 ; R3.1@40.4,134.7 v1@40.4,133.8 ; v1(85.1,133.85) 85.1,165.4 85.675,165.975 90.05,165.975 R29.2@90.2,165.825
  Bottom Layer w0.15: v1(34.328,123.35) DD1.5@35.8,123.35 ; v1(40.325,133.805) 40.345,133.825 85.075,133.825 v1(85.1,133.85)
SFP_SDA: DD1.4 R2.1 R28.2 | length 97.1
  Top Layer w0.15: v1(34.328,122.55) 33.823,123.055 33.823,123.559 35.171,124.908 35.171,125.432 36.224,126.485 36.224,127.588 38.5,129.864 R2.1@38.5,134.7 ; v1(86,133.675) 86,162.45 87.65,164.1 90.1,164.1 R28.2@90.15,164.05
  Bottom Layer w0.15: v1(34.328,122.55) DD1.4@35.8,122.55 ; v1(38.5,133.3) 85.625,133.3 v1(86,133.675)
pads on no net: DD1.2 DD1.6 DD1.MTG1 DD1.MTG2 IC1.E3 IC1.H8 IC1.J8 J1.1 J1.5 J1.9 J1.15 J1.19 J1.23 J1.39 J2.1 J2.5 J2.39 J3.7 J3.14 J3.15 J3.16 LD1.3 LD2.3 LD3.3 LD4.3 LD5.3

## Polygon pours and split planes (outlines as drawn)
GND on Layer 1 (split plane): 120.49,112.51 5.31,112.51 5.31,132.49 29.5,132.49 29.6,132.499 29.695,132.528 29.784,132.576 29.861,132.639 31.361,134.139 31.424,134.216 31.472,134.305 31.501,134.4 31.51,134.5 31.51,222.99 120.49,222.99
P3V3 on Layer 2 (split plane): 120.49,112.51 5.31,112.51 5.31,132.49 29.5,132.49 29.6,132.499 29.695,132.528 29.784,132.576 29.861,132.639 31.361,134.139 31.424,134.216 31.472,134.305 31.501,134.4 31.51,134.5 31.51,222.99 120.49,222.99

## Other copper
Top Layer:
  rectangle net P1V2: 40.875,194.475 50.1,196.7
  rectangle net P1V2: 40.85,195.7 43.2,202.55
  rectangle net P1V2: 32.1,201.975 47.25,222.475

## Silkscreen, mask and mechanical layers (free items; w line width, h text height)
Top Overlay:
  text "1" at 69.227,221.536 h1
  text "9" at 78.977,221.536 h1
  text "17" at 88.977,221.536 h1
  text "27" at 101.727,221.536 h1
  text "37" at 113.977,221.536 h1
  text "J1- LA2" at 90.004,214.754 h1.52
  text "1" at 69.504,201.004 h1
  text "9" at 79.254,201.004 h1
  text "17" at 89.254,201.004 h1
  text "27" at 102.004,201.004 h1
  text "37" at 114.254,201.004 h1
  text "J2 - LA3" at 90.254,193.754 h1.52
  text "P3V3" at 107.754,181.754 h1.52
  text "GND" at 109.254,178.754 h1.52
  text "GMII to SFP adapter" at 82.754,123.762 h1.52
  text "for ALICE FIT TCM" at 84.004,120.504 h1.52
  text "v1.0 PW ISE 2024" at 84.504,117.754 h1.52
Bottom Overlay:
  circle w0.254: c116.7,190.5 r3.5
  circle w0.5: c49.8,183.905 r0.72
  circle w0.5: c49.8,188.705 r0.72
  circle w0.5: c49.8,193.505 r0.72
  circle w0.254: c34.5,169.5 r3.5
  circle w0.254: c34.297,209.46 r3.5
  region: 49.7,192.711 49.711,192.711 ccw(c49.711,193.6) 50.6,193.6 51.3,193.6 51.3,183.8 50.4,183.8 50.4,183.999 ccw(c49.7,183.999) 49.7,184.699 49.7,187.911 ccw(c49.7,188.711) 50.5,188.711 50.5,188.8 ccw(c49.801,188.8) 49.801,189.499 49.7,189.499
  region: 49.9,192.711 49.889,192.711 cw(c49.889,193.6) 49,193.6 48.3,193.6 48.3,183.8 49.2,183.8 49.2,183.999 cw(c49.9,183.999) 49.9,184.699 49.9,187.911 cw(c49.9,188.711) 49.1,188.711 49.1,188.8 cw(c49.799,188.8) 49.799,189.499 49.9,189.499
  lines w0.15: 133.2,177.3 133.529,176.971 cw(c133.359,176.8) 133.6,176.8 ; 139.7,174 140.059,174.359 ccw(c139.717,174.7) 140.2,174.7
Mechanical 1:
  the board outline again, w0.1
Mechanical 9:
  lines w0.1: -2.48,102.42 -2.48,308.563

## Text inside footprints (layer, text, board x,y; h text height)
J4: Top Overlay "1" at 116.198,184.112 h1 r270; Mechanical 14 "1" at 116.198,184.112 h1 r270